# Allegro board IMX7D EVK BOARD REV D_160314.brd (continued)
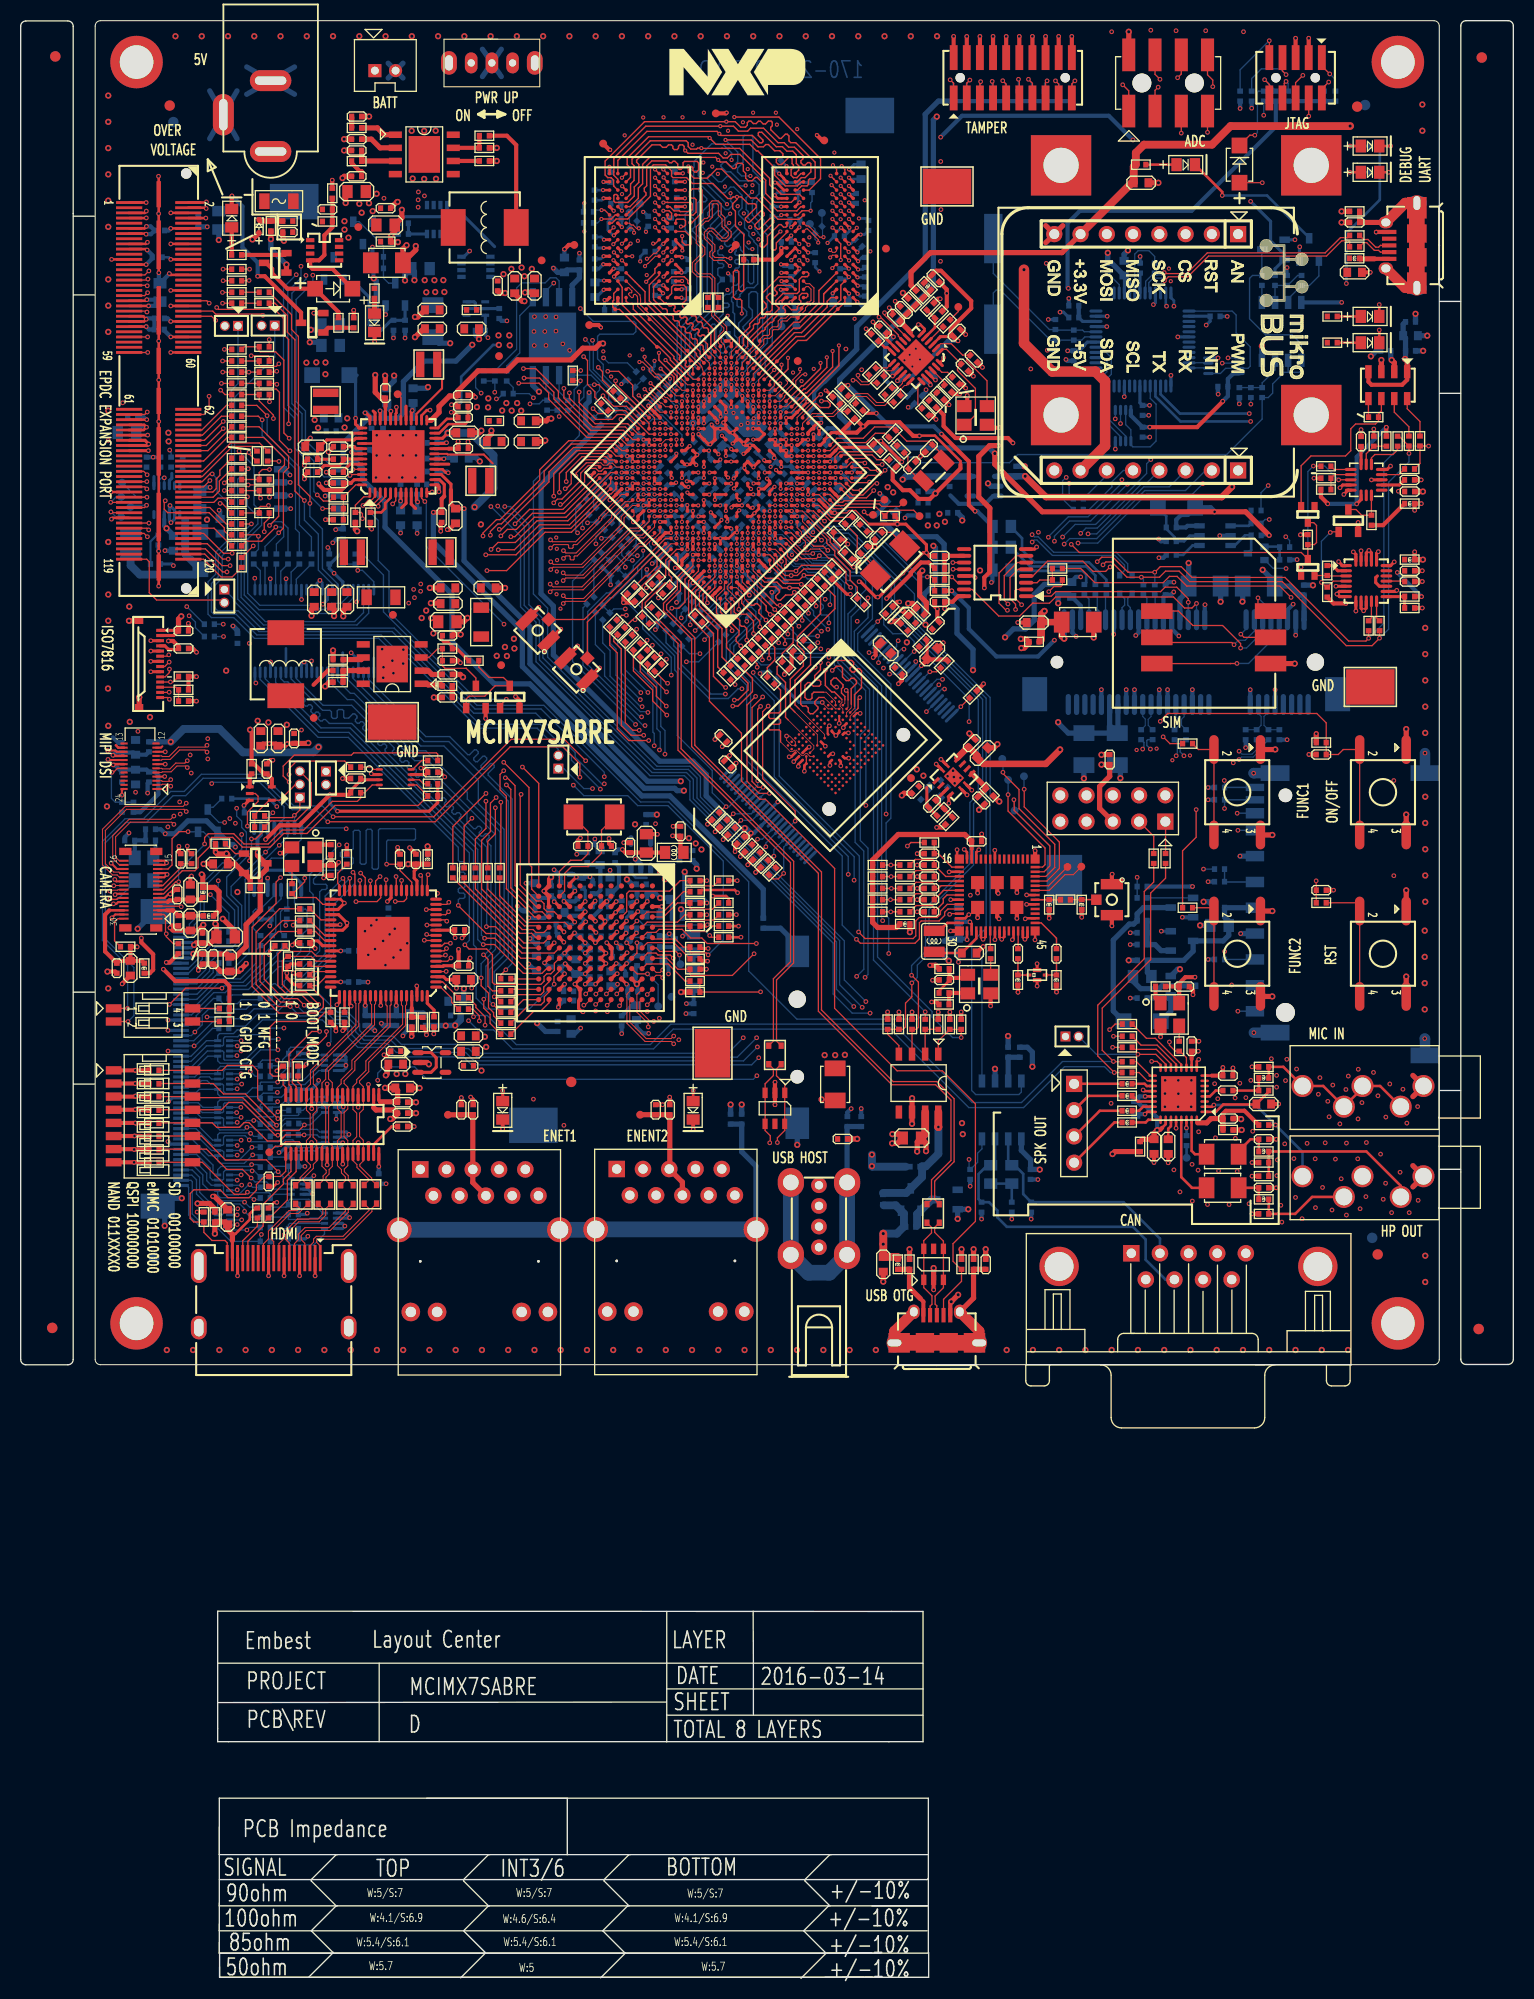
[diagram p0: board, top side]
## Routing (per net, layer and track width the routed paths; a pad name or vN(x,y) marks a point on that pad's centre or on a via; arc(x,y) is an arc through that point) (continued)
VLDO4_2V8: length 81.7
  TOP w0.305: v2(41.31,149.47) 40.8,148.96 U4.22
  TOP w0.508: v2(17.51,106.77) 17.62,106.67 L50.1 18.76,105.53 19.19,105.1 19.19,103.3 L63.1 ; C27.1 41.33,149.49 v2(41.31,149.47)
  L3_INT_1 w0.508: v2(14.51,119.6) 15.38,118.74 15.38,116.07 16.98,114.47 16.98,107.31 v2(17.51,106.77)
  L3_INT_1 w0.762: v2(43.9,142.31) 43.9,141.95 42.91,140.96 42.91,140.4 41.64,139.13 39.86,139.13 31.18,130.45 31.18,124.55 28.81,122.19 v2(28.81,119.09)
  BOTTOM w0.508: v2(14.51,119.6) L51.1
  BOTTOM w0.762: v2(28.81,119.09) 28.3,118.59 21.5,118.59 19.24,120.85 15.76,120.85 v2(14.51,119.6) ; v2(41.31,149.47) 43.57,149.47 45.73,147.31 45.73,144.14 v2(43.9,142.31)
VMIDC: length 2
  TOP w0.254: C273.1 110.99,82.17 111.25,82.43 U24.27
VREGD: length 1.8
  TOP w0.127: C247.1 133.82,135.15 U20.16
VSNVS: length 214.3
  TOP w0.305: v1(34.76,151.61) 34.78,151.6 U4.34
  TOP w0.406: R280.1 30.25,141.09 v1(29.48,141.09)
  TOP w0.508: R249.1 v1(125.31,120.39) ; v1(120.75,139.58) 118.48,141.85 v1(115.48,141.85) 98.82,141.85 94.22,146.45 v2(94.22,147.49)
  L3_INT_1 w0.406: v1(34.76,151.61) 34.03,152.35 31.35,152.35 30.51,151.51 30.51,142.13 v1(29.48,141.09)
  L3_INT_1 w0.508: v1(120.75,139.58) 121.6,138.73 121.6,126.61 125.31,122.9 v1(125.31,120.39)
  L5_PWR_2 w0.508: v2(43.67,158.01) 43.61,158.01 42.63,158.98 42.63,174.84 53.86,186.07 84.03,186.07 88.63,181.48 88.63,180.1 v2(88.61,180.08)
  BOTTOM w0.254: R279.1 v1(120.75,139.58)
  BOTTOM w0.406: U37.6 112.85,140.49 112.7,140.34 R348.1 111.77,141.09 112.23,141.55 112.9,141.55 D16.2
  BOTTOM w0.508: v1(34.76,151.61) 35.04,151.33 C31.1 36.5,150.89 37.02,151.4 37.02,154.45 39,156.43 42.1,156.43 v2(43.67,158.01) ; v1(115.48,141.85) 115.09,142.24 D16.2 ; v2(88.61,180.08) 88.28,179.75 88.28,163.72 79.21,154.65 79.21,151.12 80.02,150.31 80.02,149.85 R31.1 80.64,148.02 93.69,148.02 v2(94.22,147.49)
WIFI_ANT: length 2.5
  TOP w0.145: R560.2 L55.2 104.04,104.34 J10.1
WL_HOST_WAKE: length 58.9
  TOP w0.102: U7.J5 v3(70.32,138.75)
  TOP w0.127: U16.25 89.62,103.88 88.96,103.22 88.96,102.93 88.65,102.61 86.9,102.61 86.57,102.28 86.57,100.83 86.32,100.58 81.67,100.58 v1(81.04,101.21)
  L3_INT_1 w0.102: 68.95,133.78 68.95,135.35 67.78,136.52 67.78,136.75 69.15,138.12 69.15,138.35 68.85,138.65 68.85,138.93 69.1,139.19 69.35,139.19 69.63,138.91 70.17,138.91 v3(70.32,138.75)
  L3_INT_1 w0.127: v1(70.85,126.31) 69.12,128.03 69.12,129.23 69.35,129.46 69.35,131.01 68.95,131.41 68.95,133.78
  BOTTOM w0.127: v1(81.04,101.21) 81.11,101.29 81.11,108.55 73.37,116.3 73.37,123.62 70.85,126.13 v1(70.85,126.31)
WL_REG_ON: length 51.9
  TOP w0.102: U7.G6 v3(68.73,138.22)
  TOP w0.127: v1(89.85,102.91) 89.92,102.98 U16.27
  L3_INT_1 w0.102: 65.93,132.24 65.93,135.94 68.22,138.22 v3(68.73,138.22)
  L3_INT_1 w0.127: v1(89.85,102.91) 88.54,104.23 88.54,107.76 84.31,111.98 77.91,111.98 67.11,122.78 67.11,130.49 65.93,131.66 65.93,132.24
WLIO_1V8: length 21.6
  TOP w0.254: 91.98,109.27 U16.14
  TOP w0.406: 91.98,109.27 91.98,109.98 C238.1
  TOP w0.508: L15.2 84.7,101.64 82.89,101.64 82.4,102.14 R153.1 R154.1 R155.1 R156.1 R152.1 82.4,108.16 84.88,110.64 91.32,110.64 C238.1
XTALI: length 9.2
  TOP w0.127: Y2.1 82.67,136.4 C105.1 80.91,138.16 80.91,139.53 R38.1 79.48,140.96 78.33,140.96 77.35,141.94 U7.V1
XTALO: length 5.3
  TOP w0.127: R284.1 R38.2 80.34,141.31 78.38,141.31 77.22,142.47 U7.V2
XTC_XO: length 4.2
  TOP w0.127: Y2.2 84.19,139.87 C106.1 83.23,139.94 R284.2
N17013528: length 1.4
  TOP w0.254: v3(66.57,147.77) U7.N17
  BOTTOM w0.305: v3(66.57,147.77) 66.57,147.13 C116.1
N17107788: length 8.7
  TOP w0.127: R565.1 60.11,133.19 61.81,134.89 61.81,135.49 R558.1 62.26,135.55 62.39,135.68 62.39,137.17 63.44,138.22 63.96,138.22 U7.B10
N17107790: length 8.7
  TOP w0.127: R566.1 60.53,132.61 60.41,132.73 60.41,133.06 62.32,134.97 62.45,134.97 R559.1 62.78,135.05 62.95,135.22 62.95,135.5 62.7,135.76 62.7,137.05 62.83,137.18 63,137.18 63.31,136.87 63.46,136.87 63.56,136.98 63.56,137.56 U7.A10
N17107813: length 5.8
  TOP w0.127: v1(62.98,132.53) 63.66,132.53 64.25,133.11 64.25,135.33 U7.A7
  BOTTOM w0.127: v1(62.98,132.53) 62.95,132.53 R66.1
N17107833: length 5.5
  TOP w0.127: R70.1 60.08,134.67 61.89,136.48 61.89,137.22 U7.A11
N17107853: length 4.5
  TOP w0.305: U7.C8 65.06,137.69 65.06,137.69 v3(65.02,137.69)
  BOTTOM w0.305: v3(65.02,137.69) 65.02,137.14 64.69,136.81 C121.1 64.69,136.31 64.12,135.74 64.1,135.74 R67.1 63.33,134.97 63.33,134.96 63,134.62 R65.1
N17107881: length 4.3
  TOP w0.305: U7.C10 v3(64.49,138.22)
  BOTTOM w0.305: R69.1 61.94,136.64 62.33,136.64 R71.1 63.12,137.43 C123.1 63.7,137.43 v3(64.49,138.22)
N17108564: length 3.3
  TOP w0.102: U7.AA13 72.44,150.41 v3(72.43,150.43)
  BOTTOM w0.102: v3(72.43,150.43) 73,150.43 73.97,151.4 74.8,151.4 R80.1
N17108838: length 5.1
  TOP w0.127: U7.AD4 78.76,146.76 78.76,147.19 79.24,147.66 83.1,147.66 R76.1
N17113683: length 3.1
  TOP w0.305: U7.AD8 76.69,149.33 v3(76.69,149.33)
  BOTTOM w0.406: v3(76.69,149.33) 77.02,149.01 C94.1 77.23,149.12 78.04,149.93 R31.2
N17137994: length 4.6
  BOTTOM w0.508: R19.1 73.49,101.57 75.11,99.95 J3.1
N17161985: length 2.3
  TOP w0.305: R140.1 39.98,93.66 39.33,94.31 U13.72
N17161996: length 3
  TOP w0.127: U13.36 30.83,105.76 30.66,105.92 30.66,106.89 R141.1
N17164532: length 4.6
  TOP w0.127: U15.23 27.14,80.71 26.94,80.92 25.61,80.92 25.18,80.49 24.62,80.49 TP25.1
N17164630: length 2
  TOP w0.127: U15.16 27.14,86.38 26.81,86.71 R143.2
N17203956: length 19.4
  TOP w0.508: R163.2 C242.1 J11.7
  TOP w1.016: J11.7 133.92,171.72 J11.11 ; J11.6 133.92,163.52 J11.8
  TOP w1.524: J11.8 J11.9 J11.10 J11.11
N17204531: length 3
  BOTTOM w0.305: C361.1 102.72,160.27 U18.46
  BOTTOM w0.406: C361.1 R157.2
N17204910: length 6.7
  BOTTOM w0.127: R159.2 109.68,166.55 109.13,167.1 108.08,167.1 107.75,166.78 U18.5
N17210344: length 11.5
  TOP w0.127: v1(120.31,183.65) 120.77,183.19 J12.10 ; D26.2 118.88,178.28 v1(119.37,178.28)
  BOTTOM w0.127: v1(120.31,183.65) 121.4,182.56 R168.2 R172.1 119.74,182.54 119.62,182.43 119.62,178.53 v1(119.37,178.28)
N17220511: length 1.7
  TOP w0.305: C250.1 129.64,148.17 U21.8
N17220654: length 2
  TOP w0.127: R303.1 127.04,145.95 U21.9
N17222079: length 2.2
  TOP w0.508: U22.2 132.86,156.28 v2(132.6,156.53)
  BOTTOM w0.508: v2(132.6,156.53) 132.51,156.62 C253.1
N17222335: length 2
  TOP w0.127: R302.1 130.36,150.89 U22.5
N17330920: length 2.6
  TOP w0.145: FL1.4 96.46,97.04 L17.2 C403.1
N17330972: length 2.6
  TOP w0.145: FL1.2 99.12,97.05 L16.2 C402.2
N17348502: length 5.3
  BOTTOM w0.508: D4.1 111.24,93.55 Q7.1 110.99,94.82 R104.2
N17360734: length 15.5
  BOTTOM w0.508: Q8.3 108.59,103.57 107.99,102.97 R107.1 107.66,101.97 107.22,101.97 105.68,100.43 105.68,93.57 D4.2
N17361500: length 4.4
  BOTTOM w0.127: Q8.1 109.35,104.51 R108.2
N17361882: length 4.8
  BOTTOM w0.508: R107.2 C194.2 R105.2 109.72,99.99 110.3,99.41 Q6.1
N17363350: length 6.7
  BOTTOM w0.508: Q7.3 110.4,96 110.12,95.73 108.32,95.73 107.58,96.46 R103.1
N17384111: length 3.8
  BOTTOM w0.254: C283.1 R246.2 R245.2
N17408783: length 9.6
  TOP w0.127: v3(72.44,140.87) U7.N5
  BOTTOM w0.102: v3(72.45,140.87) 72.98,140.87 73.48,140.37 73.48,140.21 75.12,138.58 75.4,138.58 75.68,138.86 76.11,138.86 76.64,138.32 77.68,138.32 78.01,138.65 78.07,138.65
  BOTTOM w0.127: 78.07,138.65 78.57,138.65 TP13.1 79.04,138.47 R111.1
N17409524: length 10.6
  TOP w0.127: R309.1 113.91,118.86 S1.2 S1.4
N17409596: length 10.5
  TOP w0.127: S3.4 S3.2 115.1,103.55 R310.1
N17410810: length 124.3
  TOP w0.102: v1(76.62,137.81) 76.57,137.76 75.56,137.76 74.03,139.29 U7.M2
  TOP w0.127: v1(27.42,94.13) 26.78,94.76 25.44,94.76 23.56,96.64 23.56,99.89 24.92,101.26 R481.1
  L6_INT_2 w0.127: v1(71.18,90.98) 73.21,93.01 76.16,93.01 82.28,99.13 v1(83.96,99.13)
  BOTTOM w0.102: v1(76.62,137.81) 76.82,138.02 77.56,138.02 77.69,137.88
  BOTTOM w0.127: v1(83.96,99.13) 83.96,102.53 83.7,102.79 83.7,111.75 84.16,112.21 84.16,125.19 80.96,128.39 80.96,130.07 82.38,131.49 82.38,135.02 81.39,136.01 80.3,136.01 78.62,137.69 77.89,137.69 77.69,137.88 ; v1(27.42,94.13) 27.77,93.77 29.75,93.77 30.47,93.06 31.53,93.06 32.4,92.2 32.4,91.56 33.21,90.75 35.8,90.75 36.61,89.93 43.32,89.93 44.16,89.1 69.3,89.1 v1(71.18,90.98)
N17410858: length 126.2
  TOP w0.102: v3(71.91,140.34) 71.91,140.34 U7.M5
  TOP w0.127: R482.1 25.04,103.46 22.77,101.19 22.77,96.13 24.9,94 v1(26.07,94)
  L6_INT_2 w0.127: v1(81.67,96.82) 76.74,91.89 74.23,91.89 v1(71.39,89.05)
  BOTTOM w0.102: 76.21,136.4 75.81,136.8 74.93,136.8 71.91,139.81 v3(71.91,140.34)
  BOTTOM w0.127: 76.21,136.4 76.31,136.29 77.41,136.29 79.03,134.66 79.03,127.25 81.72,124.55 81.72,120.8 81.22,120.29 81.22,110.05 81.95,109.31 81.95,97.1 v1(81.67,96.82) ; v1(26.07,94) 26.99,93.08 29.35,93.08 30.09,92.35 31.15,92.35 31.63,91.87 31.63,91.03 32.63,90.04 35.27,90.04 36.18,89.12 42.84,89.12 43.6,88.36 70.7,88.36 v1(71.39,89.05)
N17410875: length 124
  TOP w0.102: U7.M6 71.38,140.87 v3(71.38,140.87)
  TOP w0.127: R484.1 25.32,102.31 23.15,100.15 23.15,96.41 25.13,94.43 26.38,94.43 v1(26.73,94.07)
  L6_INT_2 w0.127: v1(71.26,90.09) 73.67,92.5 76.44,92.5 v1(80.86,96.92)
  BOTTOM w0.102: v3(71.38,140.87) 71.38,140.35 71.02,139.99 71.02,139.64 73.08,137.59 73.74,137.59 74.76,136.57 75.58,136.57 75.98,136.17
  BOTTOM w0.127: v1(71.26,90.09) 69.91,88.74 43.85,88.74 43.04,89.55 36.33,89.55 35.47,90.42 32.88,90.42 32.02,91.28 32.02,92.04 31.33,92.73 30.29,92.73 29.58,93.44 27.37,93.44 v1(26.73,94.07) ; v1(80.86,96.92) 81.55,97.61 81.55,109.04 80.71,109.87 80.71,125.04 78.7,127.04 78.7,134.56 77.28,135.98 76.16,135.98 75.98,136.17
N17411327: length 21.6
  TOP w0.508: C302.1 R251.2 92.17,65.8 J25.7
  TOP w1.016: J25.7 92.71,62.59 J25.11 ; J25.8 84.51,62.59 J25.6
  TOP w1.524: J25.8 J25.9 J25.10 J25.11
N17418164: length 27.6
  BOTTOM w0.508: J26.5 79.93,82.37 R250.2 C301.1
  BOTTOM w1.524: J26.7 J26.8 76.22,68.25 78.2,68.25 J26.6 J26.5
N17462630: length 12.1
  TOP w0.127: S4.4 S4.2 129.51,103.72 129.19,104.03 R347.1
N17474021: length 5.2
  BOTTOM w0.381: L45.1 63.12,99.75 C322.1 64.73,99.57 C321.1 L44.1
N17479207: length 5.5
  TOP w0.127: R265.2 64.27,96.46 62.61,98.12 60.56,98.12 U31.B9
N17479738: length 53.3
  TOP w0.127: U31.B6 60.11,100.69 60.59,101.17 61.45,101.17 61.74,101.47 63.97,101.47 64.81,100.63 65.87,100.63 66.41,100.09 v1(71.16,100.09) ; R495.2 81.95,133.15 v1(81.95,133.52)
  L6_INT_2 w0.127: v1(71.16,100.09) 71.18,100.09 v1(83.7,112.62)
  BOTTOM w0.127: v1(83.7,112.62) 83.7,125.11 80.63,128.19 80.63,130.3 81.95,131.62 v1(81.95,133.52)
N17482527: length 4.3
  TOP w0.305: v1(51.6,104.14) 51.63,104.14 U31.K3
  BOTTOM w0.406: L46.1 49.73,104.5 C328.1 51.1,104.5 C329.1 51.6,104.41 v1(51.6,104.14)
N17483065: length 5
  TOP w0.305: 58.11,96.66 v1(58.61,96.16)
  BOTTOM w0.406: L48.1 59.15,94.12 C335.1 58.72,94.97 C336.1 58.72,96.05 v1(58.61,96.16)
N17488691: length 10.8
  TOP w0.508: TP30.1 42.61,83.53 C348.1 C347.1 43.73,83.5 J27.5 43.73,76.97 J27.6
N17503223: length 5.3
  TOP w0.127: v1(60.63,97.16) 59.61,97.16 U31.C9
  BOTTOM w0.127: v1(60.63,97.16) 61.66,96.13 TP33.1
N17503237: length 3.8
  TOP w0.127: v1(63.72,98.98) 63.37,99.33 61.8,99.33 61.47,99.66 U31.A7
  BOTTOM w0.127: TP32.1 63.72,98.18 v1(63.72,98.98)
N17503285: length 1.3
  TOP w0.127: U31.D7 v1(57.6,100.16)
  BOTTOM w0.127: TP35.1 57.6,100.11 v1(57.6,100.16)
N17503292: length 2.1
  TOP w0.127: U31.C8 59.11,98.67 59.61,99.17 v1(59.61,100.16)
  BOTTOM w0.127: TP36.1 59.88,99.89 v1(59.61,100.16)
N17503299: length 7.2
  TOP w0.127: U31.B8 60.12,98.66 60.63,99.17 61.45,99.17 61.64,98.98 62.82,98.98 v1(63.12,98.68)
  BOTTOM w0.127: TP37.1 63.12,95.11 v1(63.12,98.68)
N17503340: length 5.5
  TOP w0.127: U31.B7 60.62,100.18 63.18,100.18 63.18,100.17 R261.1
N17503361: length 1.4
  TOP w0.305: v1(58.65,99.2) 58.64,99.2 U31.D8
  BOTTOM w0.305: R262.1 58.26,98.81 v1(58.65,99.2)
N17504364: length 11.2
  TOP w0.508: TP31.1 59.92,83.54 C351.1 C352.1 62.78,78.33 J28.5 64,77.01 J28.6
N17512759: length 128.6
  TOP w0.102: U7.D15 v3(61.84,141.94)
  TOP w0.127: v1(105.32,91.76) 105.86,92.3 R486.1
  L3_INT_1 w0.102: v3(61.84,141.94) 61.84,142.45 61.44,142.85 61.44,143.14 62.58,144.29 62.58,145.45 64.15,147.01 64.15,148.01 64.33,148.19 64.33,148.81 62.04,151.1 58.96,151.1 58.78,151.28 58.22,151.28
  L3_INT_1 w0.127: v1(105.32,91.76) 103.41,89.86 85.66,89.86 v1(82.16,93.36) ; v1(45.48,142.36) 45.48,143.07 46.05,143.64 46.05,146.41 51.19,151.56 52.56,151.56 52.84,151.28 58.22,151.28
  BOTTOM w0.127: v1(45.48,142.36) 48.35,139.49 48.35,132.66 49.85,131.16 49.85,127.35 60.87,116.33 64.2,116.33 64.73,115.79 64.73,113.99 78.58,100.14 78.58,95.21 80.43,93.36 v1(82.16,93.36)
N17512845: length 122.1
  TOP w0.102: U7.E19 v3(60.25,144.59)
  TOP w0.127: R487.1 v1(105.69,91.12)
  L3_INT_1 w0.102: v3(60.25,144.59) 60.78,144.59 61.19,145 61.66,145 61.99,145.33 61.99,145.83 63.02,146.86 63.02,147.78 63.3,148.06 63.3,148.45 61.47,150.29 59.78,150.29 59.4,149.91 56.84,149.91
  L3_INT_1 w0.127: v1(81.39,93.92) 81.39,93.31 85.33,89.38 103.72,89.38 105.47,91.12 v1(105.69,91.12) ; v1(46.82,142.36) 46.96,142.5 46.96,146.31 50.56,149.91 56.84,149.91
  BOTTOM w0.127: v1(81.39,93.92) 79.21,96.11 79.21,100.37 65.42,114.17 65.42,116.1 64.58,116.93 61.3,116.93 50.51,127.73 50.51,131.51 49.16,132.86 49.16,140.58 47.38,142.36 v1(46.82,142.36)
N17512848: length 126.7
  TOP w0.102: v3(59.69,144.06) 59.69,144.06 U7.D19
  TOP w0.127: R483.1 v1(105.61,90.05)
  L3_INT_1 w0.102: v3(59.69,144.06) 60.24,144.06 60.64,143.66 60.89,143.66 61.45,144.22 61.46,144.22 62.28,145.04 62.28,145.61 63.88,147.2 63.88,147.75 63.57,148.06 63.57,148.47 63.86,148.77 63.86,148.92 61.97,150.81 59.76,150.81 59.25,150.3 57.24,150.3
  L3_INT_1 w0.127: v1(80.58,94) 80.58,93.29 84.95,88.92 104.28,88.92 105.41,90.05 v1(105.61,90.05) ; v1(46.14,142.41) 46.14,143.1 46.52,143.47 46.52,146.37 50.45,150.3 57.24,150.3
  BOTTOM w0.127: v1(80.58,94) 78.9,95.68 78.9,100.25 65.06,114.09 65.06,115.97 64.4,116.63 61.07,116.63 50.18,127.53 50.18,131.34 48.7,132.81 48.7,140.46 47.48,141.67 46.87,141.67 v1(46.14,142.41)
N17551623: length 9.3
  TOP w0.102: v3(75.1,143.53) 75.1,143.53 U7.V4
  TOP w0.127: TP6.1 81.87,141.56 v1(81.57,141.85)
  L6_INT_2 w0.102: v3(75.1,143.53) 75.1,143.02 76.03,142.08 77.13,142.08
  L6_INT_2 w0.127: 77.13,142.08 77.46,142.41 81.02,142.41 v1(81.57,141.85)
N17562718: length 7.6
  TOP w0.127: U7.Y1 78.83,142.45 79.63,142.45 79.79,142.61 83.04,142.61 83.28,142.37 84.99,142.37 TP8.1
N17562733: length 6.2
  TOP w0.127: TP7.1 83.44,142.92 79.64,142.92 79.5,142.78 79.04,142.78 78.28,143.53 U7.Y2
N17562753: length 11.7
  TOP w0.102: 77.22,143.53 U7.W3
  TOP w0.127: 77.22,143.53 77.22,143.52 78.58,142.15 79.84,142.15 79.97,142.28 82.76,142.28 R641.2 83.6,141.53 84.07,142 86.37,142 TP9.1
N17562933: length 8.1
  TOP w0.102: U7.D16 v3(61.31,142.47)
  BOTTOM w0.102: 60.26,141.93 60.8,142.47 v3(61.31,142.47)
  BOTTOM w0.127: 60.26,141.93 60.26,141 59.48,140.23 58.94,140.23 56.63,137.91 R485.1
N17647934: length 1.2
  BOTTOM w0.254: TP29.1 112.76,79.38 C276.2
N17839972: length 2.6
  TOP w0.127: TP39.1 36.78,152.92 U4.30
N17840667: length 3.3
  TOP w0.254: U4.5 35.78,143.2 35.26,142.68 35.26,142.17 34.88,141.8 R283.1
N17952331: length 2.6
  TOP w0.127: SW3.4 19.21,93.82 R296.2
N17952336: length 2.6
  TOP w0.127: R295.2 19.13,92.55 SW3.3
N17955454: length 6.8
  TOP w0.102: U7.C7 65.56,137.16 v3(65.56,137.17)
  BOTTOM w0.102: v3(65.56,137.17) 65.55,137.17 65.55,137.67 65.09,138.13 64.93,138.13 64.53,137.73 64.53,137.37 63.8,136.64
  BOTTOM w0.127: TP48.1 62.42,134.89 63.8,136.28 63.8,136.64
N17979833: length 2
  TOP w0.305: R301.2 126.89,136.65 127.4,136.15 U20.2
N18270966: length 10.2
  TOP w0.127: J13.33 12.19,163.76 v1(12.24,163.71) ; v1(19.52,163.07) 20.4,163.07 R180.2
  L6_INT_2 w0.127: v1(12.24,163.71) 18.88,163.71 v1(19.52,163.07)
N18270969: length 10.5
  TOP w0.127: v1(12.28,163.04) 12,162.76 J13.37 ; R181.2 19.53,162.03 v1(19.53,162.03)
  L6_INT_2 w0.127: v1(12.28,163.04) 13.97,163.04 14.33,162.68 18.87,162.68 v1(19.53,162.03)
N18382477: length 1.1
  TOP w0.508: R16.2 C19.1
N18383449: length 1.1
  TOP w0.508: C17.1 R12.2
N18456395: length 2.9
  TOP w0.305: U20.13 133.85,133.65 R331.1 R330.1
N18479011: length 5.5
  TOP w0.127: v1(73.8,106.88) 73.27,106.34 72.76,106.34 72.37,106.74 R339.2
  BOTTOM w0.127: v1(73.8,106.88) 73.8,109.41 U12.6
N18479943: length 2.5
  TOP w0.127: 86.43,128.35 86.89,128.81 R340.1
  TOP w0.137: 86.43,128.35 v1(86.42,128.34)
  BOTTOM w0.127: v1(86.42,128.34) 86.36,128.34 U12.34
N18480102: length 2.5
  TOP w0.127: R341.1 82.9,131.24 v1(82.89,131.24)
  BOTTOM w0.127: U12.25 v1(82.89,131.24)
N18508862: length 6.5
  BOTTOM w0.254: D16.1 110.8,141.43 R348.2 110.8,140.2 111.62,139.39 111.62,139.15 C356.2 112.53,139 113.07,139.54 U37.5
N18509253: length 4.3
  BOTTOM w0.254: D15.3 119.02,138.15 R279.2 118.41,139.58 117.43,138.59 U37.3
N18509499: length 2.6
  BOTTOM w0.254: C383.1 112.43,137.68 113.34,138.59 U37.4
N18509987: length 3.3
  BOTTOM w0.254: U37.1 118.78,140.49 R350.1 R321.1
N18510629: length 2.7
  BOTTOM w0.254: R349.2 121.77,137.92 121.77,138.44 C382.2 121.73,138.48 D15.1
N18528065: length 4.2
  TOP w0.406: U38.10 89.38,137.59 C384.1 R353.1 R352.1
N18531511: length 3.3
  TOP w0.127: U21.7 130.14,147.47 R361.1 R362.1
N18531925: length 3.2
  TOP w0.127: U21.10 127.07,145.45 R364.1 R363.1
N18533198: length 9.4
  TOP w0.254: J15.4 124.91,75.58 123.27,73.94 TVS2.2 120.72,73.95 120.72,75.34 L26.2
N18533201: length 17.6
  TOP w0.254: TVS3.2 R367.1 L25.2 130.16,79.98 133.48,76.66 J15.2
N18671772: length 4.4
  TOP w0.127: U21.16 130.64,141.52 R386.2 129.71,141.52 129.15,142.07 Q16.3
N18733724: length 1.7
  TOP w0.406: X2.1 28.69,109.65 30,109.65 R472.2
N18734643: length 1.7
  TOP w0.127: X2.3 26.24,105.88 R476.1
N18736058: length 1.8
  TOP w0.406: R477.2 109.77,94.82 X3.1
N18736102: length 1.5
  TOP w0.127: X3.3 R478.1
N18736807: length 2.7
  TOP w0.127: v1(87.94,126.38) 88.6,126.38 R479.1
  BOTTOM w0.127: v1(87.94,126.38) 87.93,126.38 U12.39
N18737059: length 2.4
  TOP w0.127: v1(90.93,123) 91.78,123.85 R480.1
  BOTTOM w0.127: U12.48 90.06,122.13 v1(90.93,123)
N18798455: length 5.4
  TOP w0.127: TP26.1 101.81,106.75 101,106.75 99.49,105.23 U16.53
N18798457: length 3.9
  TOP w0.127: U16.54 99.43,105.68 TP27.1
N18801381: length 3
  TOP w0.406: R493.1 R148.2 91.57,95.31 X1.1
N18808323: length 4.7
  TOP w0.127: J13.95 v1(12.21,143.26)
  BOTTOM w0.127: v1(12.21,143.26) 11.21,143.26 TP50.1
N18808326: length 3
  TOP w0.127: v1(8.7,142.77) 8.71,142.76 J13.97
  BOTTOM w0.127: v1(8.7,142.77) 9.23,143.3 TP51.1
N18808329: length 3.4
  TOP w0.127: v1(12.18,142.49) 12.18,142.46 11.98,142.26 J13.99
  BOTTOM w0.127: v1(12.18,142.49) 10.78,142.49 TP52.1
N18808332: length 3
  TOP w0.127: v1(8.73,141.84) 8.8,141.76 J13.101
  BOTTOM w0.127: v1(8.73,141.84) 9.21,141.36 TP53.1
N19059740: length 4.6
  BOTTOM w0.127: U40.6 R553.2 R551.1 122.54,163.75 123.51,164.71 R555.1
N19059874: length 1.6
  BOTTOM w0.127: U40.5 R554.1
N19077408: length 5.7
  BOTTOM w0.127: U40.7 122.59,162.45 R555.2 124.65,163.75 125.56,164.66 Q22.1
N19077626: length 14.2
  TOP w0.254: v1(116.22,172.45) 116.22,172.79 D23.2
  BOTTOM w0.254: Q22.3 124.62,168.37 120.55,172.45 v1(116.22,172.45)
N19077631: length 3
  TOP w0.254: D23.1 R556.2
N19223289: length 5.1
  TOP w0.406: L54.1 62.31,108.89 C416.1 58.95,108.89 C417.1 58.51,108.88 v1(58.2,109.19)
  BOTTOM w0.406: L53.1 57.8,109.19 v1(58.2,109.19)
N19273853: length 7
  TOP w0.127: v1(122.39,184.14) 122.04,184.49 J12.7
  BOTTOM w0.127: v1(122.39,184.14) 121.83,184.7 120,184.7 119.06,183.76 R567.2
N19273926: length 7.7
  TOP w0.127: v1(120.76,187.42) 120.77,187.41 J12.9
  BOTTOM w0.127: v1(120.76,187.42) 117.94,184.6 R568.2
N19317159: length 3.6
  BOTTOM w0.305: R570.2 86.7,72.82
  BOTTOM w0.762: Q25.3 88.11,75.33 Q24.1 86.7,73.92 86.7,72.82
N19711996: length 1.3
  TOP w0.406: R548.2 22.16,116.32 U39.1
N19885771: length 10.1
  TOP w0.127: Q29.1 43.09,123.74 43.37,124.02 44.89,124.02 45.9,125.02 Q30.3 47.31,125.22 46.7,125.82 45.3,125.82 44.31,126.82 R584.2
N19933856: length 1.8
  TOP w0.254: U42.12 83.85,157.75 83.57,157.75 R602.2
N19933868: length 2.9
  TOP w0.127: U42.19 86.78,154.14 86.78,152.26 R603.2
N19947680: length 1.8
  TOP w0.104: R597.1 83.81,155.77 U42.13
N19947771: length 2
  TOP w0.127: R601.1 89.21,159.75 U42.4
N19947907: length 14
  TOP w0.254: U42.20 88.02,154.29 88.02,154.15 v1(88,154.12) ; 84.02,158.29 U42.11
  TOP w0.305: 84.02,158.29 83.74,158.57 C429.1 84.04,159.14 v1(84.42,158.77)
  BOTTOM w0.406: v1(88,154.12) 87.53,154.59 C426.1 87.33,154.59 L57.2 86.13,153.39 86.13,153.38 C430.1 85.23,153 83.6,154.63 83.6,157.96 v1(84.42,158.77)
N19949408: length 22
  TOP w0.254: 88.81,158.64 U42.3 ; v1(84.8,154.53) 84.8,154.63 U42.16
  TOP w0.305: C428.1 90.15,158.79 88.96,158.79 88.81,158.64
  TOP w0.406: v1(90.66,158.39) 90.63,158.39 C428.1 89.95,159.07 89.95,159.56 91.93,161.54 91.93,162.25 89.01,165.17 88.53,165.17 C432.1 L58.1
  BOTTOM w0.406: v1(90.66,158.39) 89.67,158.39 86.23,154.95 C433.1 85,154.53 v1(84.8,154.53)
N19950556: length 10
  TOP w0.127: Y3.1 91.39,150.27 92.34,151.22 92.34,153.79 90.61,155.52 90.61,155.8 C434.1 89.54,157.57 89.16,157.57 U42.1
N19950564: length 9.8
  TOP w0.127: Y3.3 93.47,154.52 91.5,156.48 91.5,156.67 C435.1 91.11,157 90,158.11 88.96,158.11 88.54,157.68 U42.2
N19999209: length 1.8
  TOP w0.104: R598.1 83.5,155.38 83.6,155.49 84.24,155.49 U42.14
N20024618: length 1.9
  TOP w0.104: U42.17 85.28,154.41 85.28,154.26 84.87,153.85 R632.2
N20024706: length 1.6
  TOP w0.127: TP67.1 90.69,161.23 R601.2
N20056770: length 2
  TOP w0.127: R604.2 89.65,155.34 89.09,155.34 U42.23
N20073057: length 6
  TOP w0.254: 86.06,159.26 U42.7
  TOP w0.508: 86.06,159.26 85.04,160.28 C431.1 C427.1 R368.2 R365.2 L58.2
N20074375: length 3.4
  TOP w0.254: U42.5 88.43,159.68 R370.2 R369.2
N20112502: length 2.8
  BOTTOM w0.305: Q32.4 37.5,168.72 R614.1 R613.2
N20194241: length 1.8
  TOP w0.104: U42.18 85.65,154.07 85.48,154.07 85.11,153.69 R633.2
N20356165: length 105
  TOP w0.102: U7.E20 v3(60.78,145.12)
  L3_INT_1 w0.102: 56.4,149.46 59.5,149.46 59.91,149.87 60.83,149.87 62.73,147.96 62.73,147.13 61.71,146.1 61.71,145.49 61.48,145.26 60.92,145.26 v3(60.78,145.12)
  L3_INT_1 w0.127: 56.4,149.46 50.65,149.46 47.43,146.24 47.43,142.28 45.12,139.97 44.23,139.97 42.11,137.85 40.66,137.85 40.25,137.45 40.25,137.27 40.75,136.77 40.75,136.59 40.57,136.41 40.39,136.41 39.89,136.91 39.71,136.91 39.53,136.73 39.53,136.55 40.05,136.02 40.05,135.84 39.87,135.66 39.69,135.66 39.17,136.19 38.99,136.19 36.13,133.32 36.13,133.14 37.12,132.15 37.12,131.97 36.94,131.79 36.76,131.79 35.77,132.79 35.59,132.79 35.41,132.61 35.41,132.43 36.44,131.39 36.44,131.22 36.26,131.04 36.08,131.04 35.05,132.07 34.87,132.07 34.43,131.63 34.43,130.19 34.56,130.07 36.18,130.07 36.31,129.94 36.31,129.61 36.18,129.48 34.56,129.48 34.43,129.36 34.43,124.76 32.36,122.69 32.36,121.89 32.23,121.76 31.46,121.76 31.33,121.64 31.33,121.38 31.46,121.26 32.23,121.26 32.36,121.13 32.36,120.87 32.23,120.75 31.46,120.75 31.33,120.62 31.33,120.37 31.46,120.24 32.23,120.24 32.36,120.11 32.36,111.19 v1(30.8,109.64)
  BOTTOM w0.127: R176.1 20.47,95.12 22.24,95.12 24.98,97.86 26.61,97.86 27.95,99.21 27.95,100.04 28.28,100.37 28.28,104.84 27.95,105.17 27.95,106.78 v1(30.8,109.64)
N21040777: length 4.7
  TOP w0.254: 14.1,103.3 J29.3
  TOP w0.406: 14.1,103.3 14.74,103.3 C444.1 15.26,102.78 C445.1 17.67,102.78 L63.2
N21040955: length 4.6
  TOP w0.254: 14.24,104.1 J29.5
  TOP w0.406: 14.24,104.1 14.39,104.26 15.05,104.26 C407.1 15.16,104.36 C354.1 17.41,104.36 L50.2
N21042521: length 24.9
  TOP w0.203: v1(16.12,109.52) 16.12,109.19 R630.1
  TOP w0.254: 8.58,103.3 J29.28
  TOP w0.406: C447.1 9.53,98.42 C446.1 8.16,99.33 8.16,102.89 8.58,103.3 ; C447.1 11.73,98.42 L64.2 ; C447.1 10.62,98.43 R622.2 11.25,99.78 v1(11.26,99.76)
  L3_INT_1 w0.203: v1(16.12,109.52) 15.84,109.24 15.84,104.97 12.64,101.77 12.64,100.81 11.59,99.76 v1(11.26,99.76)
N21042545: length 3.7
  TOP w0.127: J29.30 9.43,102.5 9.08,102.15 9.08,100.36 R622.1
N21042852: length 3.8
  BOTTOM w0.406: X4.4 11.03,110.06 C448.1 11.04,110.07 R623.2 L68.2
N21042858: length 1.8
  BOTTOM w0.406: X4.1 13.04,108.59 R623.1
N21066058: length 4.9
  TOP w0.254: J30.16 8.99,118.24 v1(8.93,118.31)
  BOTTOM w0.406: L51.2 12.13,118.36 C449.1 10.91,118.56 C450.1 9.18,118.56 v1(8.93,118.31)
N21067245: length 11
  TOP w0.254: v1(8.95,117.37) 9.03,117.44 J30.18
  BOTTOM w0.406: R631.1 11.57,112.79 13.32,114.55 13.32,116.35 12.99,116.68 L65.2 12.18,116.91 C355.1 10.02,116.91 C451.1 9.1,117.37 v1(8.95,117.37)
N21079430: length 2.2
  BOTTOM w0.305: U43.4 14.39,144.88 14.62,145.1 14.62,145.56 ; U43.1 12.89,145.26
N21089723: length 13.7
  BOTTOM w0.762: 15.91,140.99 15.91,137.77 D25.1 16.87,135.78 11.52,135.78 10.64,136.66 L67.2